# Altium PCB usb_can_8.PcbDoc (part 2 of 4) (continued)
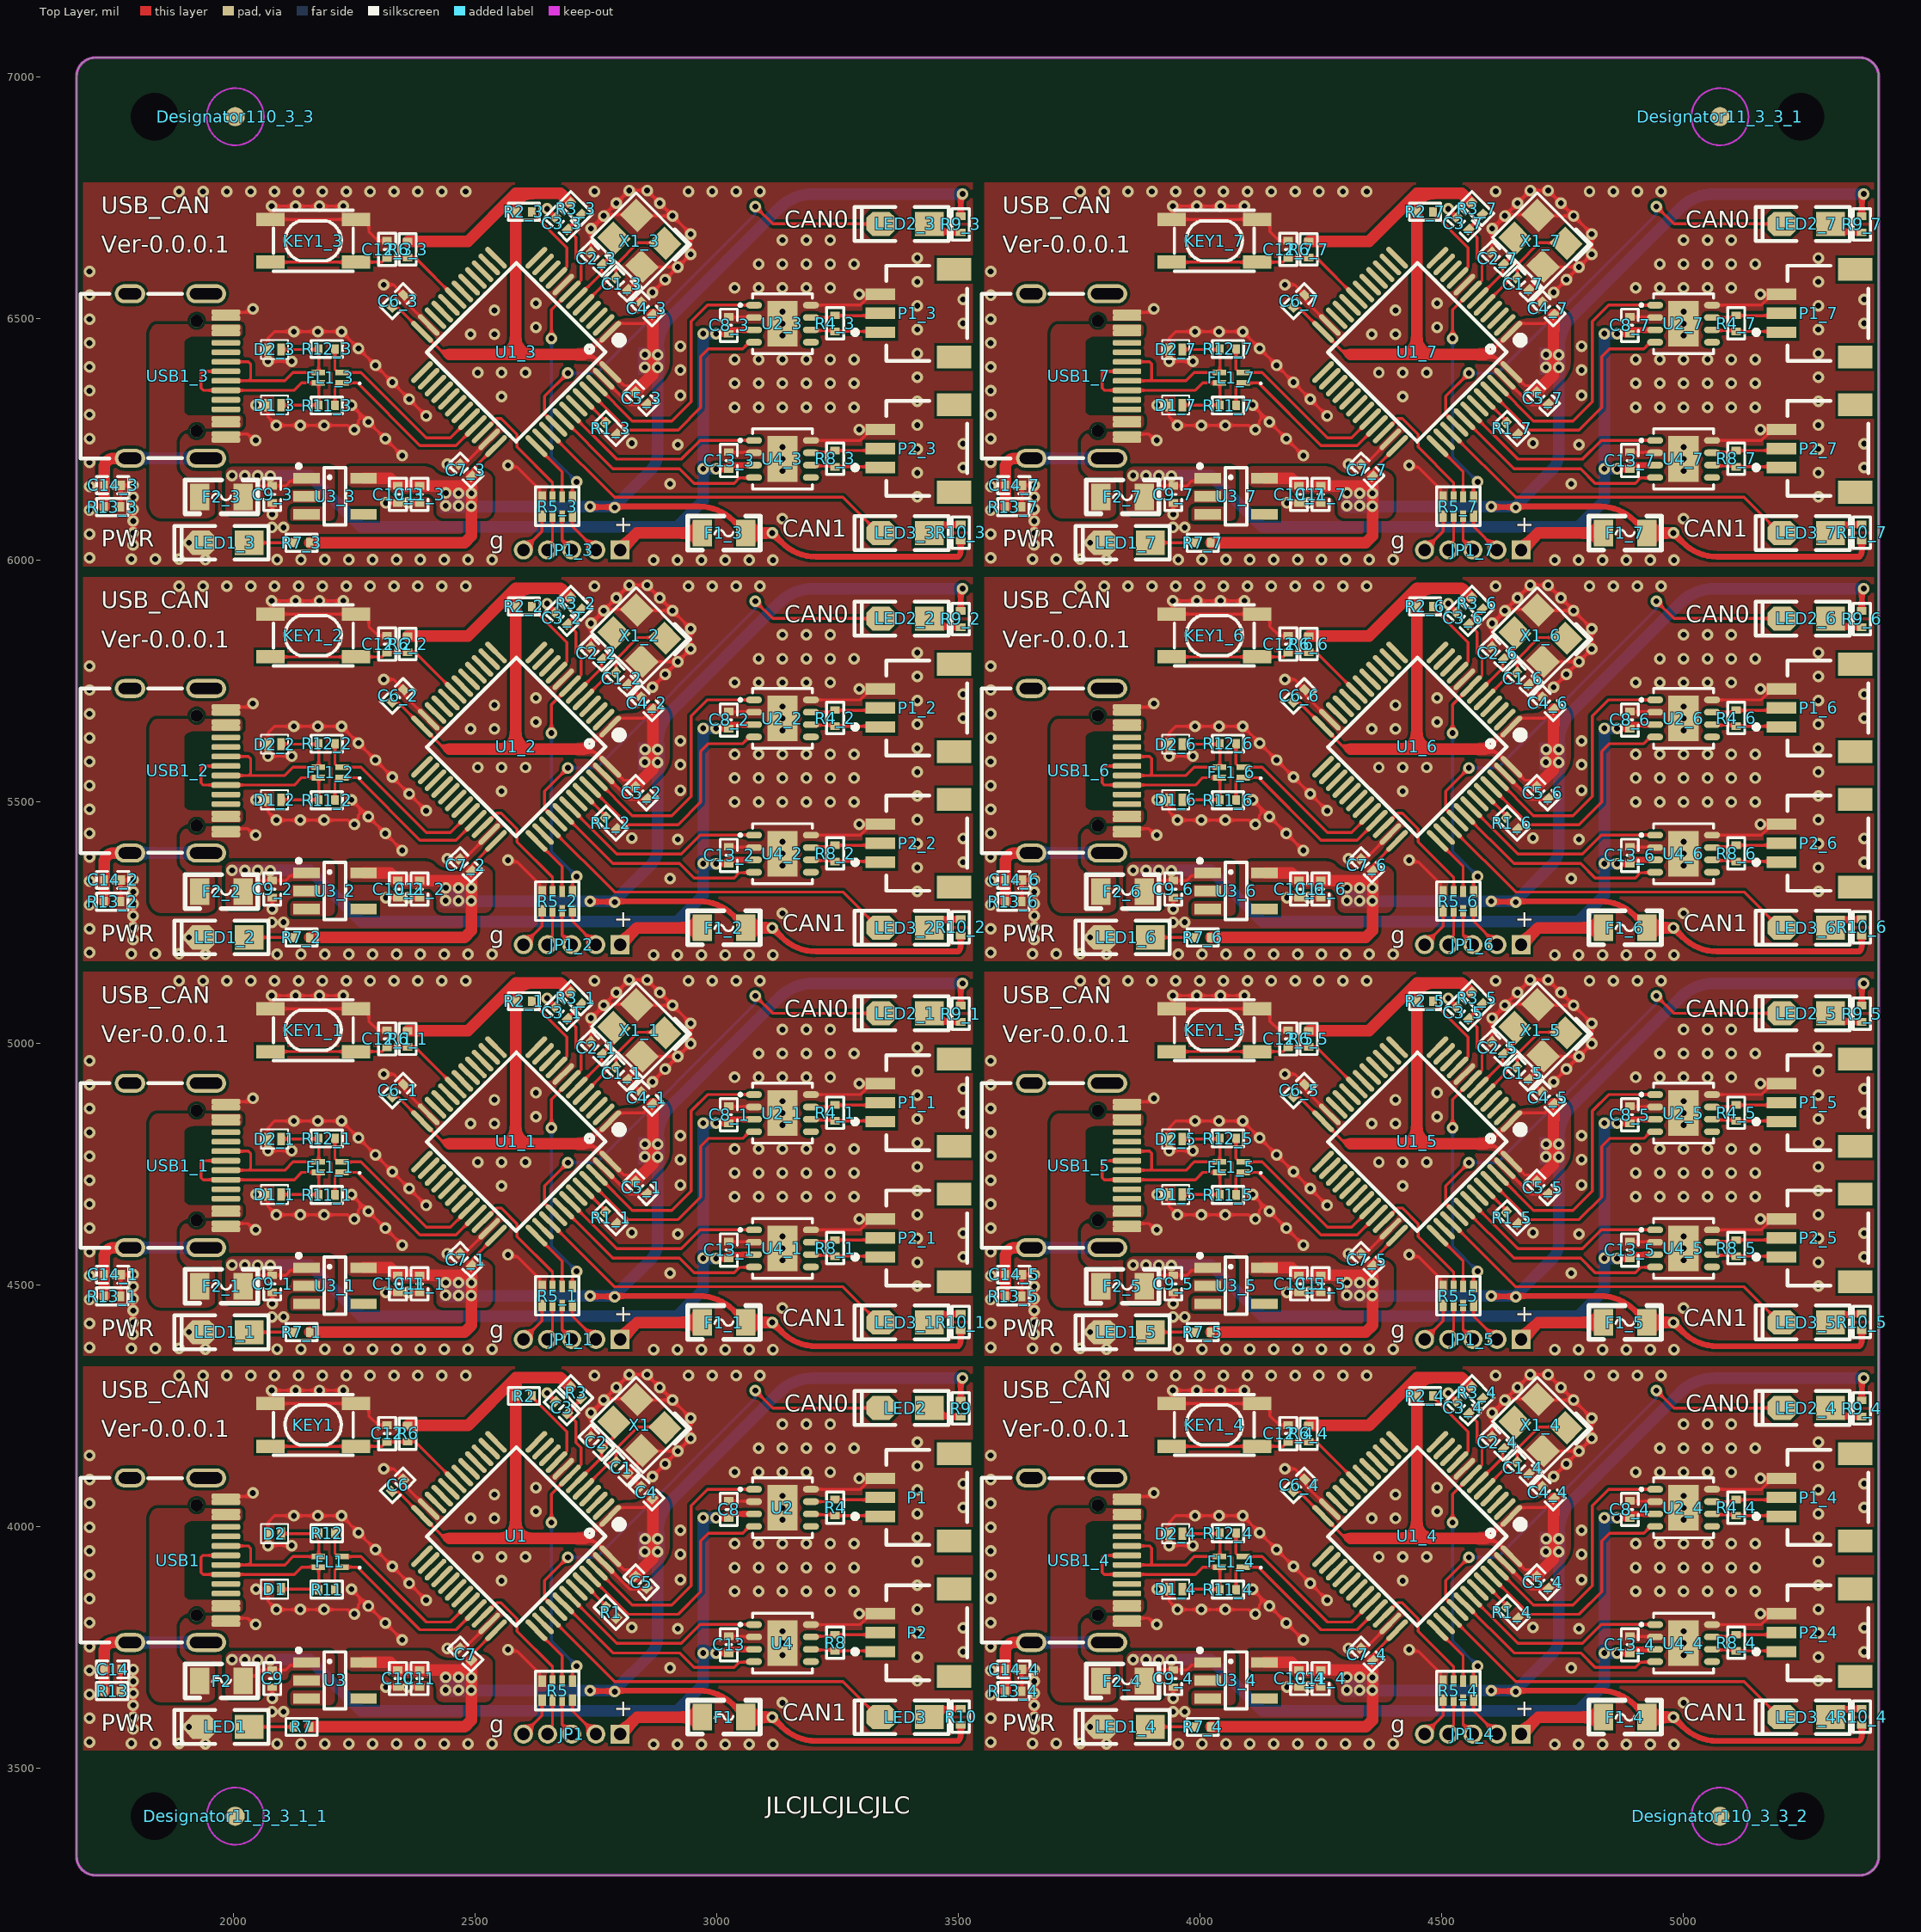
[diagram p0: Top Layer view]
## Nets (pads, with @x,y where several pads share a name; then routed paths per layer and width w, separated by ;. In a path a pad name is that pad's centre, name@x,y a point inside that pad or via, vN(x,y) a via of type N, cw(c..) or ccw(c..) an arc to the next point about the centre after c; other vN are vias at no path point) (continued)
C1_6.1@4680.63,5742.5 4710.57,5772.44 X1_6.4@4710.57,5791.11 4711.96,5789.71 v1(4784.71,5789.71) ; C4_7.2@4707.48,6533.53 4681.5,6559.5 C1_7.1@4680.63,6559.5 4710.57,6589.44 X1_7.4@4710.57,6608.11 4711.96,6606.71 v1(4784.71,6606.71) ; v1(4732.14,4103.14) v1(4758.43,4129.43) v1(4784.71,4155.71) ; v1(4732.14,4920.14) v1(4758.43,4946.43) v1(4784.71,4972.71) ; v1(4732.14,5737.14) v1(4758.43,5763.43) v1(4784.71,5789.71) ; v1(4732.14,6554.14) v1(4758.43,6580.43) v1(4784.71,6606.71) ; C13_4.2@4890,3772.71 4890.77,3771.95 4941.52,3771.95 U4_4.2@4942.28,3771.18 ; C8_4.2@4890,4052.71 4890.77,4051.95 4941.52,4051.95 U2_4.2@4942.28,4051.18 ; C13_5.2@4890,4589.71 4890.77,4588.95 4941.52,4588.95 U4_5.2@4942.28,4588.18 ; C8_5.2@4890,4869.71 4890.77,4868.95 4941.52,4868.95 U2_5.2@4942.28,4868.18 ; C13_6.2@4890,5406.71 4890.77,5405.95 4941.52,5405.95 U4_6.2@4942.28,5405.18 ; C8_6.2@4890,5686.71 4890.77,5685.95 4941.52,5685.95 U2_6.2@4942.28,5685.18 ; C13_7.2@4890,6223.71 4890.77,6222.95 4941.52,6222.95 U4_7.2@4942.28,6222.18 ; C8_7.2@4890,6503.71 4890.77,6502.95 4941.52,6502.95 U2_7.2@4942.28,6502.18 ; v1(5001.14,3733.68) v1(5001.14,3758.39) v1(5001.14,3783.09) ; v1(5001.14,4013.68) v1(5001.14,4038.39) v1(5001.14,4063.09) ; v1(5001.14,4550.68) v1(5001.14,4575.39) v1(5001.14,4600.09) ; v1(5001.14,4830.68) v1(5001.14,4855.39) v1(5001.14,4880.09) ; v1(5001.14,5367.68) v1(5001.14,5392.39) v1(5001.14,5417.09) ; v1(5001.14,5647.68) v1(5001.14,5672.39) v1(5001.14,5697.09) ; v1(5001.14,6184.68) v1(5001.14,6209.39) v1(5001.14,6234.09) ; v1(5001.14,6464.68) v1(5001.14,6489.39) v1(5001.14,6514.09) ; U4_4.8@5060,3796.77 5162.24,3796.77 P2_4.3@5184.84,3819.37 ; U2_4.8@5060,4076.77 5162.24,4076.77 P1_4.3@5184.84,4099.37 ; U4_5.8@5060,4613.77 5162.24,4613.77 P2_5.3@5184.84,4636.37 ; U2_5.8@5060,4893.77 5162.24,4893.77 P1_5.3@5184.84,4916.37 ; U4_6.8@5060,5430.77 5162.24,5430.77 P2_6.3@5184.84,5453.37 ; U2_6.8@5060,5710.77 5162.24,5710.77 P1_6.3@5184.84,5733.37 ; U4_7.8@5060,6247.77 5162.24,6247.77 P2_7.3@5184.84,6270.37 ; U2_7.8@5060,6527.77 5162.24,6527.77 P1_7.3@5184.84,6550.37 ; v1(5160.13,3819.37) P2_4.3@5184.84,3819.37 ; v1(5160.13,4099.37) P1_4.3@5184.84,4099.37 ; v1(5160.13,4636.37) P2_5.3@5184.84,4636.37 ; v1(5160.13,4916.37) P1_5.3@5184.84,4916.37 ; v1(5160.13,5453.37) P2_6.3@5184.84,5453.37 ; v1(5160.13,5733.37) P1_6.3@5184.84,5733.37 ; v1(5160.13,6270.37) P2_7.3@5184.84,6270.37 ; v1(5160.13,6550.37) P1_7.3@5184.84,6550.37 ; P2_4.3@5203.54,3819.37 P2_4.3@5184.84,3819.37 ; P1_4.3@5203.54,4099.37 P1_4.3@5184.84,4099.37 ; P2_5.3@5203.54,4636.37 P2_5.3@5184.84,4636.37 ; P1_5.3@5203.54,4916.37 P1_5.3@5184.84,4916.37 ; P2_6.3@5203.54,5453.37 P2_6.3@5184.84,5453.37 ; P1_6.3@5203.54,5733.37 P1_6.3@5184.84,5733.37 ; P2_7.3@5203.54,6270.37 P2_7.3@5184.84,6270.37 ; P1_7.3@5203.54,6550.37 P1_7.3@5184.84,6550.37 ; v1(2908.5,4261.5) v1(2946,4224) v1(2946,4182) v1(2919.71,4155.71) ; v1(2908.5,5078.5) v1(2946,5041) v1(2946,4999) v1(2919.71,4972.71) ; v1(2908.5,5895.5) v1(2946,5858) v1(2946,5816) v1(2919.71,5789.71) ; v1(2908.5,6712.5) v1(2946,6675) v1(2946,6633) v1(2919.71,6606.71) ; v1(4773.5,4261.5) v1(4811,4224) v1(4811,4182) v1(4784.71,4155.71) ; v1(4773.5,5078.5) v1(4811,5041) v1(4811,4999) v1(4784.71,4972.71) ; v1(4773.5,5895.5) v1(4811,5858) v1(4811,5816) v1(4784.71,5789.71) ; v1(4773.5,6712.5) v1(4811,6675) v1(4811,6633) v1(4784.71,6606.71)
  Top Layer w15: KEY1.2@2076.42,4254.29 KEY1.2@2079,4256.87 ; KEY1_1.2@2076.42,5071.29 KEY1_1.2@2079,5073.87 ; KEY1_2.2@2076.42,5888.29 KEY1_2.2@2079,5890.87 ; KEY1_3.2@2076.42,6705.29 KEY1_3.2@2079,6707.87 ; KEY1_4.2@3941.42,4254.29 KEY1_4.2@3944,4256.87 ; KEY1_5.2@3941.42,5071.29 KEY1_5.2@3944,5073.87 ; KEY1_6.2@3941.42,5888.29 KEY1_6.2@3944,5890.87 ; KEY1_7.2@3941.42,6705.29 KEY1_7.2@3944,6707.87
  other v1: 2869.42,3549 2918.83,3549 2968.25,3549 3017.67,3549 3067.09,3549 3116.5,3549 4734.42,3549 4783.83,3549 4833.25,3549 4882.67,3549 4932.09,3549 4981.5,3549 1941.92,3550 2090.17,3550 2139.59,3550 2189,3550 2238.42,3550 2287.84,3550 2337.26,3550 2386.67,3550 2436.09,3550 2485.51,3550 2534.93,3550 3806.92,3550 3955.17,3550 4004.59,3550 4054,3550 4103.42,3550 4152.84,3550 4202.26,3550 4251.67,3550 4301.09,3550 4350.51,3550 4399.93,3550 1788.58,3551 1838,3551 1887.42,3551 3653.58,3551 3703,3551 3752.42,3551 1702,3553.58 3567,3553.58 1702,3603 3567,3603 2079.73,3616.59 2103.73,3616.59 3944.73,3616.59 3968.73,3616.59 3136.14,3634.84 5001.14,3634.84 1702,3652.42 3567,3652.42 3415,3680.24 5280,3680.24 1702,3701.83 3567,3701.83 2903.42,3707 4768.42,3707 3415,3729.66 5280,3729.66 3510,3740.58 5375,3740.58 1702,3751.25 3567,3751.25 3415,3779.08 5280,3779.08 2919.42,3788 4784.42,3788 3510,3790 5375,3790 2824.42,3791 4689.42,3791 1702,3800.67 3567,3800.67 2187.53,3827.82 3415,3828.5 4052.53,3827.82 5280,3828.5 1702,3850.09 3567,3850.09 3037.31,3865.43 3086.72,3865.43 3136.14,3865.43 3185.56,3865.43 3234.98,3865.43 3284.39,3865.43 4902.31,3865.43 4951.72,3865.43 5001.14,3865.43 5050.56,3865.43 5099.98,3865.43 5149.39,3865.43 3415,3877.91 5280,3877.91 2554.83,3887.58 4419.83,3887.58 2925,3889.76 4790,3889.76 1702,3899.5 3567,3899.5 3037.31,3914.84 3086.72,3914.84 3136.14,3914.84 3185.56,3914.84 3234.98,3914.84 3284.39,3914.84 4902.31,3914.84 4951.72,3914.84 5001.14,3914.84 5050.56,3914.84 5099.98,3914.84 5149.39,3914.84 3415,3927.33 5280,3927.33 2505.42,3937 2554.83,3937 2604.25,3937 4370.42,3937 4419.83,3937 4469.25,3937 2925,3942.42 4790,3942.42 1702,3948.92 3567,3948.92 3037.31,3964.26 3086.72,3964.26 3136.14,3964.26 3185.56,3964.26 3234.98,3964.26 3284.39,3964.26 4902.31,3964.26 4951.72,3964.26 5001.14,3964.26 5050.56,3964.26 5099.98,3964.26 5149.39,3964.26 3415,3976.75 5280,3976.75 2925,3991.83 4790,3991.83 1702,3998.34 3567,3998.34 2490.58,4016.58 2540,4016.58 4355.58,4016.58 4405,4016.58 3415,4026.17 5280,4026.17 2625.93,4031.08 4490.93,4031.08 3510,4039 5375,4039 1702,4047.76 3567,4047.76 2540,4066 4405,4066 3415,4075.58 5280,4075.58 2625.93,4080.49 4490.93,4080.49 3510,4088.42 5375,4088.42 1702,4097.17 3567,4097.17 3037.31,4112.51 3086.72,4112.51 3136.14,4112.51 3185.56,4112.51 3234.98,4112.51 4902.31,4112.51 4951.72,4112.51 5001.14,4112.51 5050.56,4112.51 5099.98,4112.51 3415,4125 5280,4125 1702,4146.59 3567,4146.59 3086.72,4161.93 3136.14,4161.93 3185.56,4161.93 3234.98,4161.93 3284.39,4161.93 4951.72,4161.93 5001.14,4161.93 5050.56,4161.93 5099.98,4161.93 5149.39,4161.93 3415,4174.42 5280,4174.42 3136.14,4211.35 3185.56,4211.35 3234.98,4211.35 5001.14,4211.35 5050.56,4211.35 5099.98,4211.35 1887.42,4312 1936.83,4312 1986.25,4312 2035.67,4312 2085.09,4312 2134.5,4312 2183.92,4312 2233.34,4312 2282.76,4312 2332.17,4312 2381.59,4312 2431.01,4312 2480.43,4312 2747.29,4312.19 2941.42,4312.19 2990.83,4312.19 3040.25,4312.19 3089.67,4312.19 3752.42,4312 3801.83,4312 3851.25,4312 3900.67,4312 3950.09,4312 3999.5,4312 4048.92,4312 4098.34,4312 4147.76,4312 4197.17,4312 4246.59,4312 4296.01,4312 4345.43,4312 4612.29,4312.19 4806.42,4312.19 4855.83,4312.19 4905.25,4312.19 4954.67,4312.19 2869.42,4366 2918.83,4366 2968.25,4366 3017.67,4366 3067.09,4366 3116.5,4366 4734.42,4366 4783.83,4366 4833.25,4366 4882.67,4366 4932.09,4366 4981.5,4366 1941.92,4367 2090.17,4367 2139.59,4367 2189,4367 2238.42,4367 2287.84,4367 2337.26,4367 2386.67,4367 2436.09,4367 2485.51,4367 2534.93,4367 3806.92,4367 3955.17,4367 4004.59,4367 4054,4367 4103.42,4367 4152.84,4367 4202.26,4367 4251.67,4367 4301.09,4367 4350.51,4367 4399.93,4367 1788.58,4368 1838,4368 1887.42,4368 3653.58,4368 3703,4368 3752.42,4368 1702,4370.58 3567,4370.58 1702,4420 3567,4420 2079.73,4433.59 2103.73,4433.59 3944.73,4433.59 3968.73,4433.59 3136.14,4451.84 5001.14,4451.84 1702,4469.42 3567,4469.42 3415,4497.24 5280,4497.24 1702,4518.83 3567,4518.83 2903.42,4524 4768.42,4524 3415,4546.66 5280,4546.66 3510,4557.58 5375,4557.58 1702,4568.25 3567,4568.25 3415,4596.08 5280,4596.08 2919.42,4605 4784.42,4605 3510,4607 5375,4607 2824.42,4608 4689.42,4608 1702,4617.67 3567,4617.67 2187.53,4644.82 3415,4645.5 4052.53,4644.82 5280,4645.5 1702,4667.09 3567,4667.09 3037.31,4682.43 3086.72,4682.43 3136.14,4682.43 3185.56,4682.43 3234.98,4682.43 3284.39,4682.43 4902.31,4682.43 4951.72,4682.43 5001.14,4682.43 5050.56,4682.43 5099.98,4682.43 5149.39,4682.43 3415,4694.91 5280,4694.91 2554.83,4704.58 4419.83,4704.58 2925,4706.76 4790,4706.76 1702,4716.5 3567,4716.5 3037.31,4731.84 3086.72,4731.84 3136.14,4731.84 3185.56,4731.84 3234.98,4731.84 3284.39,4731.84 4902.31,4731.84 4951.72,4731.84 5001.14,4731.84 5050.56,4731.84 5099.98,4731.84 5149.39,4731.84 3415,4744.33 5280,4744.33 2505.42,4754 2554.83,4754 2604.25,4754 4370.42,4754 4419.83,4754 4469.25,4754 2925,4759.42 4790,4759.42 1702,4765.92 3567,4765.92 3037.31,4781.26 3086.72,4781.26 3136.14,4781.26 3185.56,4781.26 3234.98,4781.26 3284.39,4781.26 4902.31,4781.26 4951.72,4781.26 5001.14,4781.26 5050.56,4781.26 5099.98,4781.26 5149.39,4781.26 3415,4793.75 5280,4793.75 2925,4808.83 4790,4808.83 1702,4815.34 3567,4815.34 2490.58,4833.58 2540,4833.58 4355.58,4833.58 4405,4833.58 3415,4843.17 5280,4843.17 2625.93,4848.08 4490.93,4848.08 3510,4856 5375,4856 1702,4864.76 3567,4864.76 2540,4883 4405,4883 3415,4892.58 5280,4892.58 2625.93,4897.49 4490.93,4897.49 3510,4905.42 5375,4905.42 1702,4914.17 3567,4914.17 3037.31,4929.51 3086.72,4929.51 3136.14,4929.51 3185.56,4929.51 3234.98,4929.51 4902.31,4929.51 4951.72,4929.51 5001.14,4929.51 5050.56,4929.51 5099.98,4929.51 3415,4942 5280,4942 1702,4963.59 3567,4963.59 3086.72,4978.93 3136.14,4978.93 3185.56,4978.93 3234.98,4978.93 3284.39,4978.93 4951.72,4978.93 5001.14,4978.93 5050.56,4978.93 5099.98,4978.93 5149.39,4978.93 3415,4991.42 5280,4991.42 3136.14,5028.35 3185.56,5028.35 3234.98,5028.35 5001.14,5028.35 5050.56,5028.35 5099.98,5028.35 1887.42,5129 1936.83,5129 1986.25,5129 2035.67,5129 2085.09,5129 2134.5,5129 2183.92,5129 2233.34,5129 2282.76,5129 2332.17,5129 2381.59,5129 2431.01,5129 2480.43,5129 2747.29,5129.19 2941.42,5129.19 2990.83,5129.19 3040.25,5129.19 3089.67,5129.19 3752.42,5129 3801.83,5129 3851.25,5129 3900.67,5129 3950.09,5129 3999.5,5129 4048.92,5129 4098.34,5129 4147.76,5129 4197.17,5129 4246.59,5129 4296.01,5129 4345.43,5129 4612.29,5129.19 4806.42,5129.19 4855.83,5129.19 4905.25,5129.19 4954.67,5129.19 2869.42,5183 2918.83,5183 2968.25,5183 3017.67,5183 3067.09,5183 3116.5,5183 4734.42,5183 4783.83,5183 4833.25,5183 4882.67,5183 4932.09,5183 4981.5,5183 1941.92,5184 2090.17,5184 2139.59,5184 2189,5184 2238.42,5184 2287.84,5184 2337.26,5184 2386.67,5184 2436.09,5184 2485.51,5184 2534.93,5184 3806.92,5184 3955.17,5184 4004.59,5184 4054,5184 4103.42,5184 4152.84,5184 4202.26,5184 4251.67,5184 4301.09,5184 4350.51,5184 4399.93,5184 1788.58,5185 1838,5185 1887.42,5185 3653.58,5185 3703,5185 3752.42,5185 1702,5187.58 3567,5187.58 1702,5237 3567,5237 2079.73,5250.59 2103.73,5250.59 3944.73,5250.59 3968.73,5250.59 3136.14,5268.84 5001.14,5268.84 1702,5286.42 3567,5286.42 3415,5314.24 5280,5314.24 1702,5335.83 3567,5335.83 2903.42,5341 4768.42,5341 3415,5363.66 5280,5363.66 3510,5374.58 5375,5374.58 1702,5385.25 3567,5385.25 3415,5413.08 5280,5413.08 2919.42,5422 4784.42,5422 3510,5424 5375,5424 2824.42,5425 4689.42,5425 1702,5434.67 3567,5434.67 2187.53,5461.82 3415,5462.5 4052.53,5461.82 5280,5462.5 1702,5484.09 3567,5484.09 3037.31,5499.43 3086.72,5499.43 3136.14,5499.43 3185.56,5499.43 3234.98,5499.43 3284.39,5499.43 4902.31,5499.43 4951.72,5499.43 5001.14,5499.43 5050.56,5499.43 5099.98,5499.43 5149.39,5499.43 3415,5511.91 5280,5511.91 2554.83,5521.58 4419.83,5521.58 2925,5523.76 4790,5523.76 1702,5533.5 3567,5533.5 3037.31,5548.84 3086.72,5548.84 3136.14,5548.84 3185.56,5548.84 3234.98,5548.84 3284.39,5548.84 4902.31,5548.84 4951.72,5548.84 5001.14,5548.84 5050.56,5548.84 5099.98,5548.84 5149.39,5548.84 3415,5561.33 5280,5561.33 2505.42,5571 2554.83,5571 2604.25,5571 4370.42,5571 4419.83,5571 4469.25,5571 2925,5576.42 4790,5576.42 1702,5582.92 3567,5582.92 3037.31,5598.26 3086.72,5598.26 3136.14,5598.26 3185.56,5598.26 3234.98,5598.26 3284.39,5598.26 4902.31,5598.26 4951.72,5598.26 5001.14,5598.26 5050.56,5598.26 5099.98,5598.26 5149.39,5598.26 3415,5610.75 5280,5610.75 2925,5625.83 4790,5625.83 1702,5632.34 3567,5632.34 2490.58,5650.58 2540,5650.58 4355.58,5650.58 4405,5650.58 3415,5660.17 5280,5660.17 2625.93,5665.08 4490.93,5665.08 3510,5673 5375,5673 1702,5681.76 3567,5681.76 2540,5700 4405,5700 3415,5709.58 5280,5709.58 2625.93,5714.49 4490.93,5714.49 3510,5722.42 5375,5722.42 1702,5731.17 3567,5731.17 3037.31,5746.51 3086.72,5746.51 3136.14,5746.51 3185.56,5746.51 3234.98,5746.51 4902.31,5746.51 4951.72,5746.51 5001.14,5746.51 5050.56,5746.51 5099.98,5746.51 3415,5759 5280,5759 1702,5780.59 3567,5780.59 3086.72,5795.93 3136.14,5795.93 3185.56,5795.93 3234.98,5795.93 3284.39,5795.93 4951.72,5795.93 5001.14,5795.93 5050.56,5795.93 5099.98,5795.93 5149.39,5795.93 3415,5808.42 5280,5808.42 3136.14,5845.35 3185.56,5845.35 3234.98,5845.35 5001.14,5845.35 5050.56,5845.35 5099.98,5845.35 1887.42,5946 1936.83,5946 1986.25,5946 2035.67,5946 2085.09,5946 2134.5,5946 2183.92,5946 2233.34,5946 2282.76,5946 2332.17,5946 2381.59,5946 2431.01,5946 2480.43,5946 2747.29,5946.19 2941.42,5946.19 2990.83,5946.19 3040.25,5946.19 3089.67,5946.19 3752.42,5946 3801.83,5946 3851.25,5946 3900.67,5946 3950.09,5946 3999.5,5946 4048.92,5946 4098.34,5946 4147.76,5946 4197.17,5946 4246.59,5946 4296.01,5946 4345.43,5946 4612.29,5946.19 4806.42,5946.19 4855.83,5946.19 4905.25,5946.19 4954.67,5946.19 2869.42,6000 2918.83,6000 2968.25,6000 3017.67,6000 3067.09,6000 3116.5,6000 4734.42,6000 4783.83,6000 4833.25,6000 4882.67,6000 4932.09,6000 4981.5,6000 1941.92,6001 2090.17,6001 2139.59,6001 2189,6001 2238.42,6001 2287.84,6001 2337.26,6001 2386.67,6001 2436.09,6001 2485.51,6001 2534.93,6001 3806.92,6001 3955.17,6001 4004.59,6001 4054,6001 4103.42,6001 4152.84,6001 4202.26,6001 4251.67,6001 4301.09,6001 4350.51,6001 4399.93,6001 1788.58,6002 1838,6002 1887.42,6002 3653.58,6002 3703,6002 3752.42,6002 1702,6004.58 3567,6004.58 1702,6054 3567,6054 2079.73,6067.59 2103.73,6067.59 3944.73,6067.59 3968.73,6067.59 3136.14,6085.84 5001.14,6085.84 1702,6103.42 3567,6103.42 3415,6131.24 5280,6131.24 1702,6152.83 3567,6152.83 2903.42,6158 4768.42,6158 3415,6180.66 5280,6180.66 3510,6191.58 5375,6191.58 1702,6202.25 3567,6202.25 3415,6230.08 5280,6230.08 2919.42,6239 4784.42,6239 3510,6241 5375,6241 2824.42,6242 4689.42,6242 1702,6251.67 3567,6251.67 2187.53,6278.82 3415,6279.5 4052.53,6278.82 5280,6279.5 1702,6301.09 3567,6301.09 3037.31,6316.43 3086.72,6316.43 3136.14,6316.43 3185.56,6316.43 3234.98,6316.43 3284.39,6316.43 4902.31,6316.43 4951.72,6316.43 5001.14,6316.43 5050.56,6316.43 5099.98,6316.43 5149.39,6316.43 3415,6328.91 5280,6328.91 2554.83,6338.58 4419.83,6338.58 2925,6340.76 4790,6340.76 1702,6350.5 3567,6350.5 3037.31,6365.84 3086.72,6365.84 3136.14,6365.84 3185.56,6365.84 3234.98,6365.84 3284.39,6365.84 4902.31,6365.84 4951.72,6365.84 5001.14,6365.84 5050.56,6365.84 5099.98,6365.84 5149.39,6365.84 3415,6378.33 5280,6378.33 2505.42,6388 2554.83,6388 2604.25,6388 4370.42,6388 4419.83,6388 4469.25,6388 2925,6393.42 4790,6393.42 1702,6399.92 3567,6399.92 3037.31,6415.26 3086.72,6415.26 3136.14,6415.26 3185.56,6415.26 3234.98,6415.26 3284.39,6415.26 4902.31,6415.26 4951.72,6415.26 5001.14,6415.26 5050.56,6415.26 5099.98,6415.26 5149.39,6415.26 3415,6427.75 5280,6427.75 2925,6442.83 4790,6442.83 1702,6449.34 3567,6449.34 2490.58,6467.58 2540,6467.58 4355.58,6467.58 4405,6467.58 3415,6477.17 5280,6477.17 2625.93,6482.08 4490.93,6482.08 3510,6490 5375,6490 1702,6498.76 3567,6498.76 2540,6517 4405,6517 3415,6526.58 5280,6526.58 2625.93,6531.49 4490.93,6531.49 3510,6539.42 5375,6539.42 1702,6548.17 3567,6548.17 3037.31,6563.51 3086.72,6563.51 3136.14,6563.51 3185.56,6563.51 3234.98,6563.51 4902.31,6563.51 4951.72,6563.51 5001.14,6563.51 5050.56,6563.51 5099.98,6563.51 3415,6576 5280,6576 1702,6597.59 3567,6597.59 3086.72,6612.93 3136.14,6612.93 3185.56,6612.93 3234.98,6612.93 3284.39,6612.93 4951.72,6612.93 5001.14,6612.93 5050.56,6612.93 5099.98,6612.93 5149.39,6612.93 3415,6625.42 5280,6625.42 3136.14,6662.35 3185.56,6662.35 3234.98,6662.35 5001.14,6662.35 5050.56,6662.35 5099.98,6662.35 1887.42,6763 1936.83,6763 1986.25,6763 2035.67,6763 2085.09,6763 2134.5,6763 2183.92,6763 2233.34,6763 2282.76,6763 2332.17,6763 2381.59,6763 2431.01,6763 2480.43,6763 2747.29,6763.19 2941.42,6763.19 2990.83,6763.19 3040.25,6763.19 3089.67,6763.19 3752.42,6763 3801.83,6763 3851.25,6763 3900.67,6763 3950.09,6763 3999.5,6763 4048.92,6763 4098.34,6763 4147.76,6763 4197.17,6763 4246.59,6763 4296.01,6763 4345.43,6763 4612.29,6763.19 4806.42,6763.19 4855.83,6763.19 4905.25,6763.19 4954.67,6763.19